# Altium PCB Weather_Station_ETH_HERMETIC.PcbDoc (part 5 of 5)
Units mil, origin at the board's own origin, x right, y up, seen from the top; angles counter-clockwise.
Board outline 6385.86 x 4338.61 mil, 2 copper layers (TopLayer, BottomLayer), stack 61.855 mil thick; 510 components, 370 nets, 1634 pads, 870 vias.
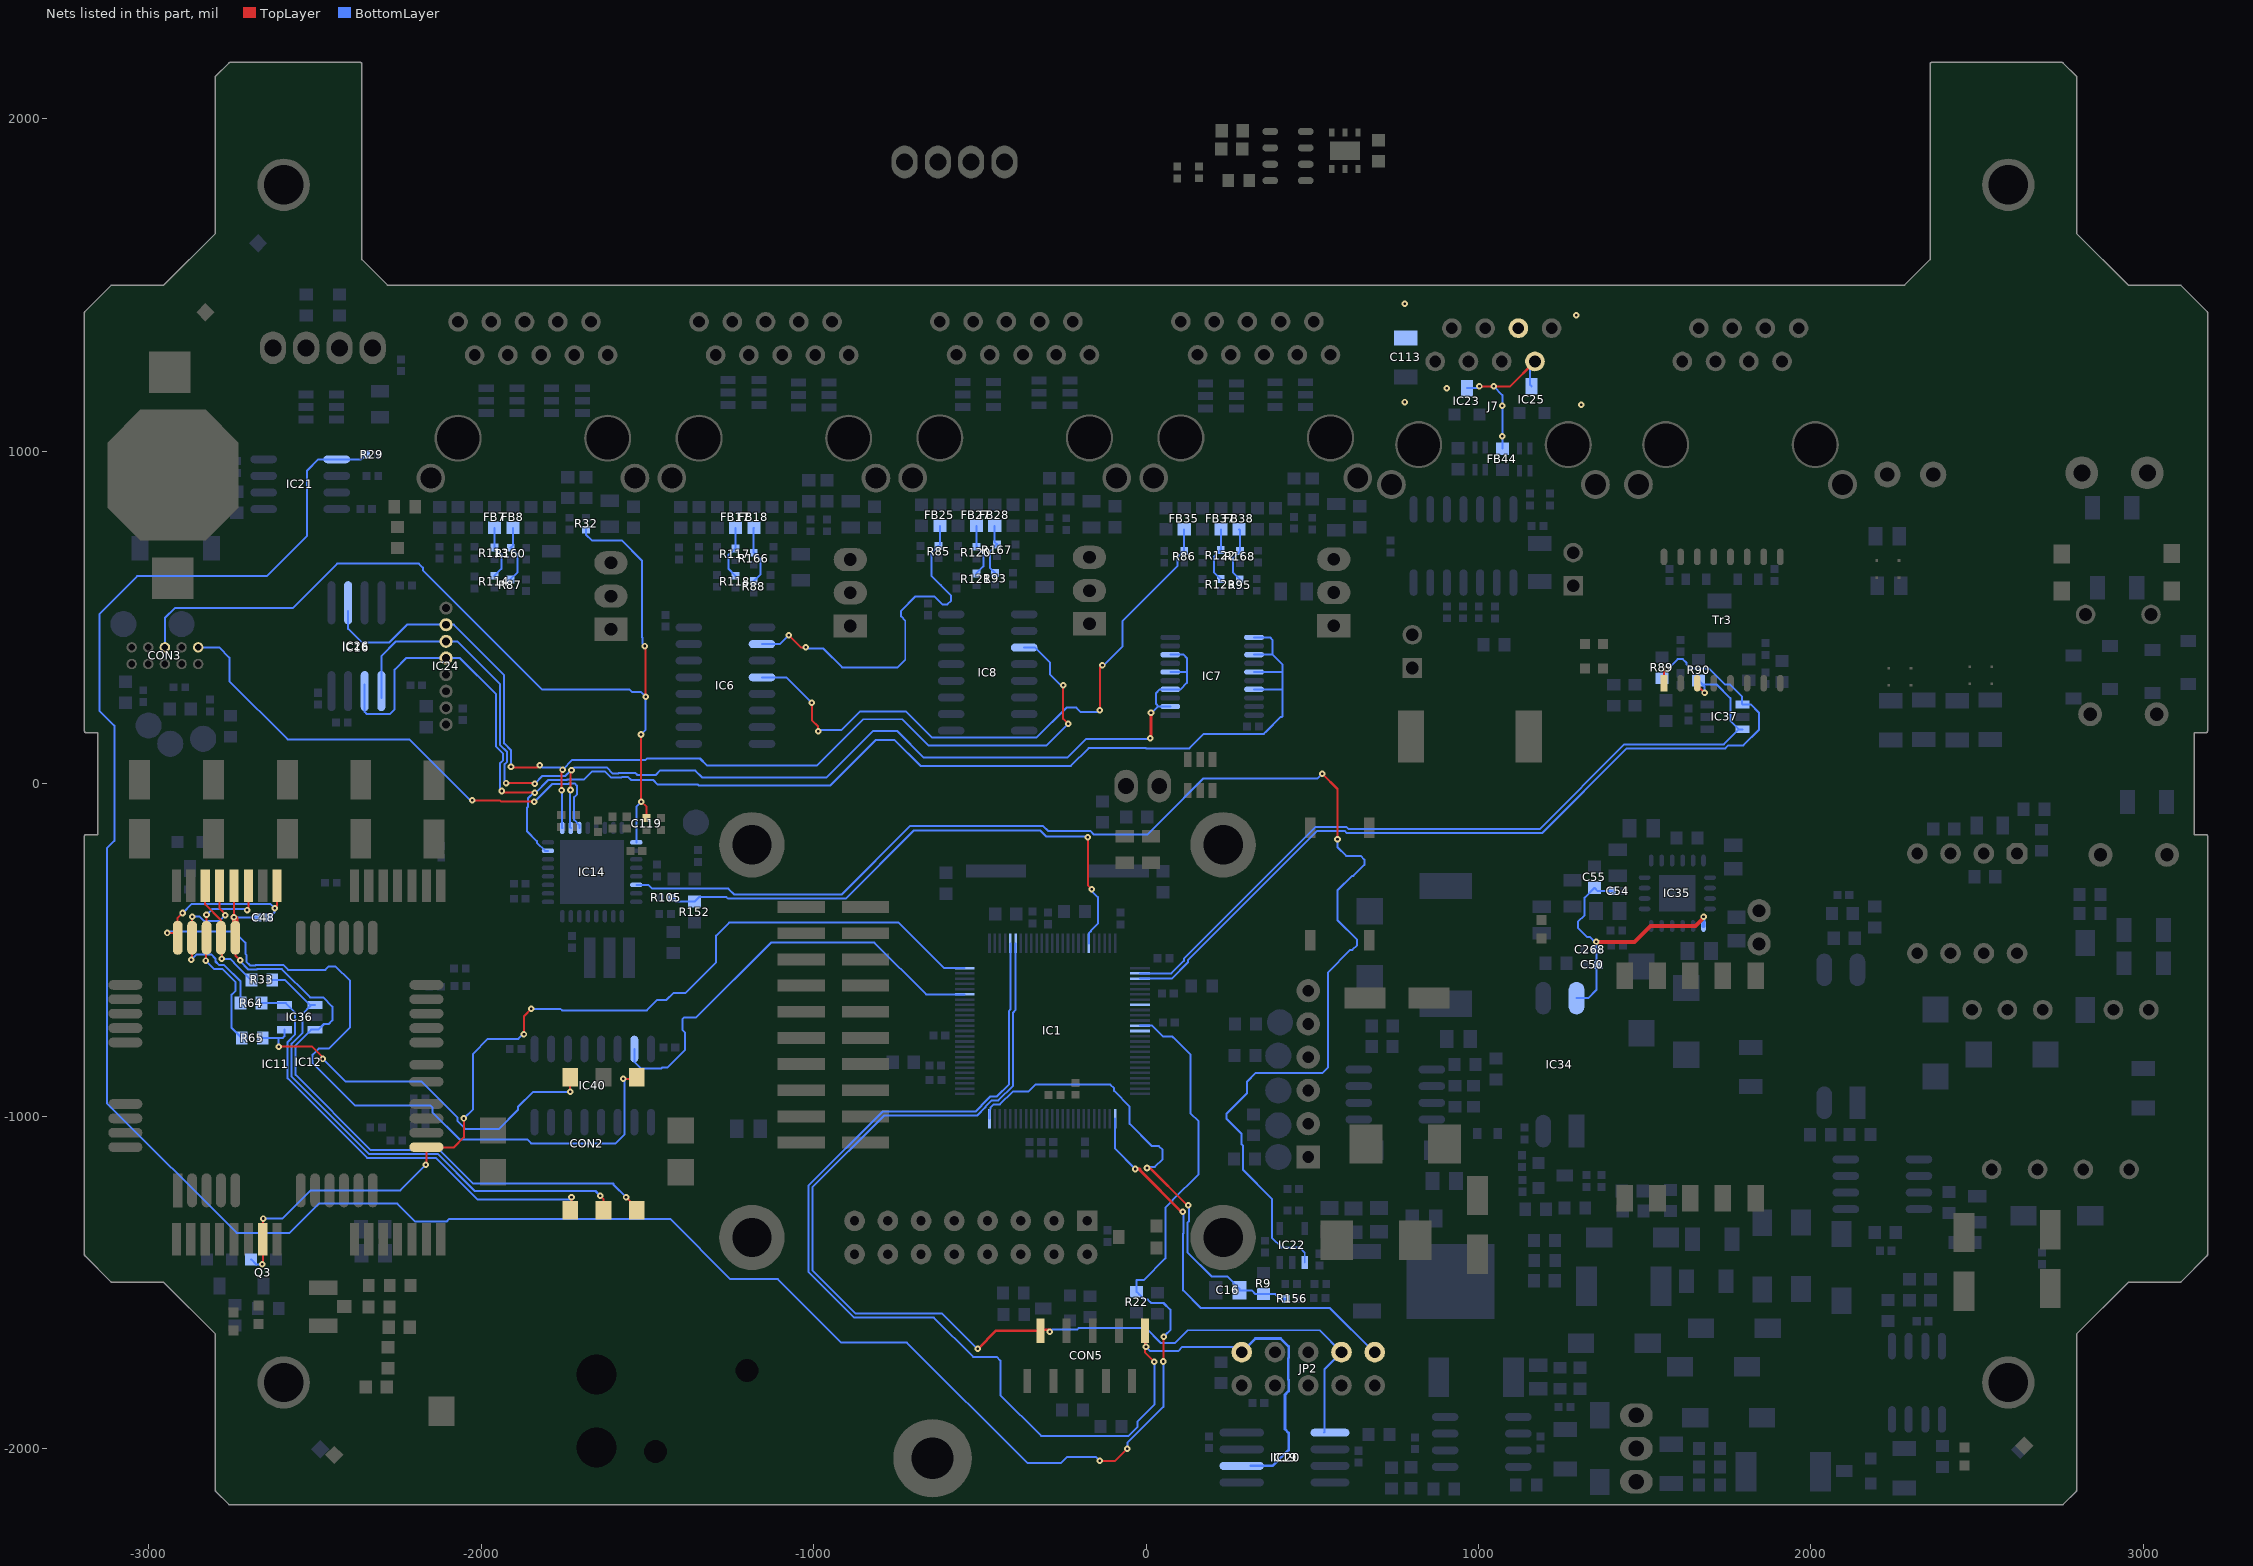
[diagram p5: the nets of this part, all layers, seen from the top]

## Via types
v1: diameter 19.68, hole 7.87, TopLayer to BottomLayer, tented both sides, 857 vias
v2: diameter 31.5, hole 15.75, TopLayer to BottomLayer, tented top, 9 vias
v3: diameter 25.98, hole 12.99, TopLayer to BottomLayer, tented top, 4 vias

## Nets (pads, with @x,y where several pads share a name; then routed paths per layer and width w, separated by ;. In a path a pad name is that pad's centre, name@x,y a point inside that pad or via, vN(x,y) a via of type N, cw(c..) or ccw(c..) an arc to the next point about the centre after c; other vN are vias at no path point) (continued)
SDA3: FB25.2 IC6.2 R85.2 | length 1080.7
  TopLayer w6: v1(-1075,447) -1038,410 v1(-1023,410)
  BottomLayer w6: IC6.2@-1155,420 -1102,420 v1(-1075,447) ; v1(-1023,410) -1019.33,406.33 -970,406.33 -913.83,350.16 -747.25,350.16 -724.16,373.25 -724.16,490.69 -736.84,503.37 -736.84,519.8 -693.36,563.29 -636.94,563.29 -612.8,539.16 -597.2,539.16 -586.16,550.2 -586.16,565.8 -617.32,596.97 -644.84,624.47 -644.84,694.79 -624.92,714.72 R85.2@-624,714.72 ; R85.2@-620,720 FB25.2@-620,775.87
SDA4: FB35.2 IC6.4 R86.2 | length 1884.8
  TopLayer w6: v1(-1005,244) -1005,191 -986,172 v1(-986,158) ; v1(-139,221) -139,348 v1(-131,356)
  BottomLayer w6: IC6.4@-1155,320 -1082,320 -1005,243 v1(-1005,244) ; v1(-986,158) -983.16,160.84 -917.1,160.84 -860.1,217.84 -722.63,217.84 -643.16,138.37 -329.56,138.37 -239.09,228.84 -209.49,228.84 -195.8,215.16 -144.84,215.16 v1(-139,221) ; v1(-131,356) -131,352 -71,412 -71,489 94.19,654.19 94.19,680.11 114.08,700 R86.2@115,700 FB35.2@115,765
SDI2_SDA2: IC1.87 IC21.5 R22.2 R29.2 | length 7840.3
  TopLayer w6: v1(-139,-2037) -138.16,-2037.84 -93.84,-2037.84 v1(-56,-2000) ; v1(52,-1738) 53,-1737 v1(53,-1664)
  BottomLayer w6: R29.2@-2346.41,990 -2360.63,975.78 IC21.5@-2434.14,975.78 -2489.22,975.78 -2523,942 -2523,746.03 -2645.03,624 -3034.35,624 -3148.37,509.98 -3148.37,219.85 -3103,174.48 -3103,-171.94 -3125.37,-194.31 -3125.37,-960.69 -2735.22,-1350.84 -2575.81,-1350.84 -2487.97,-1263 -2252.03,-1263 -2198.03,-1317 -2104.06,-1317 -2096.06,-1309 -1431,-1309 -1250,-1490 -1107.06,-1490 -916.06,-1681 -719.03,-1681 -357.03,-2043 -254.97,-2043 -236.97,-2025 -151,-2025 v1(-139,-2037) ; v1(-56,-2000) -56,-1982.6 52,-1874.6 v1(52,-1738) ; IC1.87@-18.13,-728.08 18.52,-728.08 50.44,-760 78.35,-760 82.2,-763.84 82.84,-763.84 133.16,-814.16 133.16,-990.78 158.02,-1015.63 158.02,-1174.36 79.16,-1253.22 79.16,-1254.58 58.06,-1275.68 58.06,-1427.59 -7.35,-1493 -28,-1493 R22.2@-28,-1528.5 -20.75,-1535.75 -4.5,-1552 5.37,-1552 15.37,-1562 52.63,-1562 72.63,-1582 73,-1582 73,-1643.35 60.16,-1656.2 60.16,-1662.84 57,-1666 55,-1664 v1(53,-1664)
SDO2: IC1.88
SGND: C113.2 FB44.2 IC23.3 IC25.3 J7.6 J7.7 | length 551
  TopLayer w6: v1(1003,1195) v1(1046,1195) 1095,1195 J7.7@1170,1270
  BottomLayer w6: IC23.3@965,1190 998,1190 v1(1003,1195) ; v1(1046,1195) 1072,1169 FB44.2@1072,1007.5 v1(1072,1045) ; J7.7@1155,1270 1155,1200 IC25.3@1160,1195
  other v1: 1072,1137 1309,1140 778,1148 905,1190 1294,1409 778,1444
SI: CON5.9 IC1.56 IC19.5 IC20.5 JP2.3 | length 3468.1
  TopLayer w8: v1(-506,-1700) -451.43,-1645.43 CON5.9@-317.63,-1645.43 -314.2,-1642 -289,-1642 v1(-289,-1648)
  BottomLayer w6: v1(-506,-1700) -509,-1703 -512,-1700 -512,-1695.2 -613.2,-1594 -873.13,-1594 -1003.84,-1463.28 -1003.84,-1214.34 -787.5,-998 -507.47,-998 -482.88,-973.41 -482.88,-972.19 -463.54,-952.84 -444.28,-952.84 -399.84,-908.4 -399.84,-688.2 -392.14,-680.49 IC1.56@-392.14,-480.04 ; v1(-289,-1648) -283,-1642 -207.27,-1642 -202.27,-1637 -0.65,-1637 45.2,-1682.84 86.8,-1682.84 125.65,-1644 522,-1644 JP2.3@588,-1710 537,-1761 537,-1950 IC20.5@535,-1952
SI1: FB8.2 R87.1 R160.2 | length 175.6
  BottomLayer w6: R87.1@-1912,614.72 -1890.19,636.53 -1890.19,689.82 -1910.08,709.72 R160.2@-1911,709.72 -1904.36,716.35 FB8.2@-1904.36,769.33
SI2: FB18.2 R88.1 R166.2 | length 177.7
  BottomLayer w6: R88.1@-1180,609.72 -1159.19,630.53 -1159.19,654 -1159.19,674.82 -1179.08,694.72 R166.2@-1180,694.72 -1180,768.69 FB18.2@-1179.36,769.33
SI3: FB28.2 R93.1 R167.2 | length 160.3
  BottomLayer w6: FB28.2@-455,775.87 -455,726.72 R167.2@-448,719.72 -448.92,719.72 -468.81,699.82 -468.81,648.53 R93.1@-454,633.72
SI4: FB38.2 R95.1 R168.2 | length 168.9
  BottomLayer w6: FB38.2@280,765 283,762 R168.2@283,699.72 282.08,699.72 262.19,679.82 262.19,634.53 R95.1@282,614.72
SIM_CLK: IC11.30 IC12.12 R64.1 | length 605.6
  TopLayer w6: v1(-2872,-530) -2869.21,-527.21 IC11.30@-2869.21,-463.39 -2869,-463.17 v1(-2869,-400) ; IC12.12@-2786.61,-307.01 -2786.61,-375.39 -2766,-396 v1(-2770,-396)
  BottomLayer w6: v1(-2872,-530) -2855.16,-513.16 -2811.84,-513.16 -2798.84,-526.16 -2798.84,-534.8 -2787.8,-545.84 -2772.57,-545.84 -2723.5,-594.92 R64.1@-2723.5,-660 ; v1(-2869,-400) -2846.65,-400 -2833.8,-412.84 -2785.84,-412.84 -2769,-396 v1(-2770,-396)
SIM_DATA: IC11.29 IC12.10 R65.1 | length 645.9
  TopLayer w6: v1(-2828,-532) -2828,-465.48 IC11.29@-2825.91,-463.39 -2825.91,-394.09 v1(-2826,-394) ; v1(-2704,-380) -2700,-376 IC12.10@-2700,-307.01
  BottomLayer w6: v1(-2828,-532) -2802.16,-557.84 -2777.54,-557.84 -2738.16,-597.22 -2738.16,-622.78 -2750.21,-634.83 -2750.21,-734.78 R65.1@-2719.99,-765 ; v1(-2826,-394) -2809.16,-377.16 -2706.84,-377.16 v1(-2704,-380)
SIM_GND: C48.2 CON2.C4 IC11.31 IC12.8 | length 2754.8
  TopLayer w6: v1(-2944,-449) -2926.91,-449 IC11.31@-2912.52,-463.39 -2912.52,-403.52 v1(-2898,-389) ; v1(-2621,-375) -2613.39,-367.39 IC12.8@-2613.39,-307.01 ; v1(-1572,-888) -1537,-888 CON2.C4@-1532,-883
  BottomLayer w6: v1(-2944,-449) -2940,-445 -2742,-445 -2709,-478 -2709,-512 -2706.16,-514.84 -2706.16,-535.49 -2694.8,-546.84 -2679.2,-546.84 -2677.35,-545 -2595,-545 -2580.16,-559.84 -2468.46,-559.84 -2457.8,-549.19 -2438.17,-549.19 -2394.16,-593.2 -2394.16,-732.77 -2458.2,-796.81 -2488.43,-796.81 -2506.84,-815.22 -2506.84,-840.78 -2379.81,-967.81 -2195,-967.81 -2194.62,-968.19 -2151.74,-968.19 -2146.47,-973.46 -2146.47,-988.53 -2065,-1070 -1861.67,-1070 -1849.67,-1082 -1595.3,-1082 -1568,-1054.7 -1568,-892 v1(-1572,-888) ; v1(-2898,-389) -2870.16,-361.16 -2634.84,-361.16 v1(-2621,-375) -2621,-386 C48.2@-2638,-403
SIM_RST: IC11.28 IC12.13 R33.2 | length 356.7
  TopLayer w6: IC12.13@-2829.92,-307.01 -2829.92,-362.73 -2782.6,-410.05 IC11.28@-2782.6,-463.39 -2780,-465.98 v1(-2780,-527)
  BottomLayer w6: v1(-2780,-527) -2754,-527 -2743.84,-537.16 -2743.84,-538.8 -2692.65,-590 R33.2@-2691,-590
SIM_VCC: C48.1 CON2.C1 IC11.27 IC12.11 IC36.6 | length 2113.1
  TopLayer w6: v1(-2743.31,-402) IC12.11@-2743.31,-307.01 ; IC11.27@-2739.29,-463.39 -2739.29,-516.71 v1(-2725,-531) ; v1(-1564,-1244) -1532,-1276 CON2.C1@-1532,-1283
  TopLayer w20: v1(-2743.31,-402) -2739.29,-406.02 IC11.27@-2739.29,-463.39
  BottomLayer w6: v1(-2743.31,-402) -2742.31,-403 C48.1@-2673.43,-403 ; v1(-2725,-531) -2725,-533.62 -2699.78,-558.84 -2674.22,-558.84 -2673.38,-558 -2598.97,-558 -2513.97,-643 -2474.5,-643 -2447.16,-670.34 -2447.16,-711.8 -2458.2,-722.84 -2472.55,-722.84 -2489.71,-740 IC36.6@-2499.48,-740 -2510.88,-740 -2557.84,-786.96 -2557.84,-876.1 -2332.78,-1101.16 -2125.9,-1101.16 -2025.06,-1202 -1601.72,-1202 -1601.72,-1206.28 v1(-1564,-1244)
SIMCLK: CON2.C3 IC36.3 R64.2 | length 1369.7
  TopLayer w6: CON2.C3@-1732,-1283 -1728,-1279 v1(-1728,-1244)
  BottomLayer w6: R64.2@-2660.5,-660 -2587.42,-660 -2559.84,-687.58 -2559.84,-755.02 -2581.84,-777.02 -2581.84,-886.04 -2342.72,-1125.16 -2135.84,-1125.16 -2011,-1250 -1730,-1250 -1730,-1246 v1(-1728,-1244)
SIMDATA: CON2.C6 IC36.1 R65.2 | length 1207.3
  TopLayer w6: v1(-2609,-791) -2508,-791 -2476,-823 v1(-2476,-828) ; v1(-1732,-927) CON2.C6@-1732,-883
  BottomLayer w6: R65.2@-2657,-765 -2609,-765 ; v1(-2609,-791) -2609,-765 ; IC36.1@-2592,-740 -2592,-760 -2597,-765 -2609,-765 ; v1(-2476,-828) -2479,-825 -2479,-824 -2407,-896 -2179,-896 -2070.84,-1004.16 -2070.84,-1014.8 -2046.65,-1039 -1947,-1039 -1889,-981 -1889,-972.38 -1843.62,-927 v1(-1732,-927)
SIMRST: CON2.C2 IC36.4 R33.1 | length 1524.6
  TopLayer w6: v1(-1641,-1240) -1632,-1249 CON2.C2@-1632,-1283
  BottomLayer w6: R33.1@-2628.01,-590 -2590,-590 -2514.8,-665.2 IC36.4@-2510.06,-665.2 ; IC36.4@-2499.48,-665.2 IC36.4@-2510.06,-665.2 ; v1(-1641,-1240) -1655.84,-1225.16 -2018.87,-1225.16 -2130.87,-1113.16 -2337.75,-1113.16 -2569.84,-881.07 -2569.84,-781.99 -2537.87,-750.01 -2537.87,-693 IC36.4@-2510.06,-665.2
SO: CON5.1 IC1.55 IC19.2 IC20.2 JP2.9 | length 3931.9
  TopLayer w6: v1@-2.67,-1691.33 -2.67,-1711.33 v1(25,-1739)
  TopLayer w8: v1@-2.67,-1691.33 CON5.1@-2.67,-1645.43
  BottomLayer w6: IC1.55@-407.89,-480.04 -407.89,-679.27 -411.84,-683.22 -411.84,-903.43 -449.25,-940.84 -468.51,-940.84 -494.88,-967.22 -494.88,-968.44 -512.44,-986 -792.47,-986 -1015.84,-1209.37 -1015.84,-1468.25 -878.1,-1606 -638,-1606 -519.84,-1724.16 -449.2,-1724.16 -437.84,-1735.51 -437.84,-1839.13 -315.29,-1961.69 -110.74,-1961.69 -95.13,-1961.69 -52.06,-1961.69 -26,-1935.63 -26,-1919 25,-1868 v1(25,-1739) ; v1(0,-1694) 12.84,-1706.84 96.75,-1706.84 109.59,-1694 272,-1694 JP2.9@288,-1710
  BottomLayer w8: JP2.9@288,-1710 329,-1669 404.98,-1669 429,-1693.02 429,-1726.98 428,-1727.98 428,-1760 428,-1792.02 429,-1793.02 429,-1826.98 418,-1837.98 418,-1941.38 429,-1952.38 429,-2004 381,-2052 IC20.2@315,-2052
SO1: FB7.2 R113.2 R114.1 | length 161.9
  BottomLayer w6: R114.1@-1960,625.43 -1939.19,646.24 -1939.19,690.54 -1959.08,710.43 R113.2@-1960,710.43 -1959.36,711.07 FB7.2@-1959.36,769.33
SO2: FB17.2 R117.2 R118.1 | length 161.9
  BottomLayer w6: R118.1@-1235,625.43 -1255.81,646.24 -1255.81,687.82 -1250.54,693.09 -1249.62,693.09 R117.2@-1235,707.72 -1234.36,708.35 FB17.2@-1234.36,769.33
SO3: FB27.2 R120.2 R121.1 | length 160.9
  BottomLayer w6: R121.1@-510,632.72 -489.19,653.53 -489.19,692.82 -509.08,712.72 R120.2@-510,712.72 FB27.2@-510,775.87
SO4: FB37.2 R122.2 R123.1 | length 167.3
  BottomLayer w6: R123.1@225,615.43 204.19,636.24 204.19,682.82 224.08,702.72 R122.2@225,702.72 FB37.2@225,765
SPI_MISO: IC8.3 IC14.17 IC16.2 IC24.7 IC26.2 | length 3214.9
  TopLayer w6: v1(-1910,51) -1908,49 -1831,49 ; v1(-1758,-20) -1758,34 v1@-1755,37 ; v1(-249,296) -249,195 v1(-234,180)
  BottomLayer w6: IC16.2@-2400,519 -2400,466 -2358,424 -2276.97,424 -2222.87,478.1 IC24.7@-2105.32,478.1 -2082.1,478.1 -1930.84,326.84 -1930.84,121.22 -1909.97,100.35 v1(-1910,51) ; v1(-1824,56) -1817,49 -1762,49 v1(-1755,42) -1725.64,71.36 -1505.26,71.36 -1500.78,75.84 -1341.49,75.84 -1320.65,55 -989,55 -850.16,193.84 -732.57,193.84 -653.1,114.37 -299.63,114.37 v1(-234,180) ; v1(-1758,-20) -1756,-22 -1756,-132.69 IC14.17@-1755.57,-133.13 ; IC8.3@-366.26,409.37 -333.72,409.37 -289.16,364.8 -289.16,329 -249,288.84 v1(-249,296)
SPI_MOSI: IC7.2 IC7.4 IC7.6 IC7.8 IC14.18 IC16.5 IC24.6 IC26.5 | length 3591
  TopLayer w6: v1(-1925,2) v1@-1841,2 ; v1(-1731,-19) -1731,38 v1(-1728,41) ; v1@-1728,-17 v1@-1727,-18
  TopLayer w8: v1@15,139 v1(15,213)
  BottomLayer w6: IC26.5@-2300,258.15 IC16.5@-2300,299 -2300,384 -2255.9,428.1 IC24.6@-2105.32,428.1 -2072.1,428.1 -1942.84,298.84 -1942.84,116.25 -1921.97,95.38 -1921.97,65.68 -1928.84,58.8 v1@-1928.84,5.84 ; v1(-1839,0) -1815.84,23.16 -1747.2,23.16 v1@-1729.35,41 ; v1(-1731,-19) v1@-1729.98,-20.02 ; IC14.18@-1729.98,-133.13 -1731.82,-131.28 -1731.82,-21.87 v1@-1729.98,-20.02 ; v1@-1727,-18 -1728,-17 -1729.98,-18.98 v1@-1729.98,-20.02 ; -1720.16,48.84 -1622.65,48.84 -1603.8,30 -1588.2,30 -1585.35,32.84 -1536.25,32.84 -1529.57,26.16 -1474.87,26.16 -1462.03,39 -1355.56,39 -1335.56,19 -960.36,19 -821.52,157.84 -747.48,157.84 -668.01,78.37 -236.31,78.37 -179.68,135 v1@13,135 ; v1@15.5,212.5 35,232 ; IC7.2@73,232 39,232 30,241 30,272 42,284 IC7.4@73,284 104,284 123,303 123,335 ; IC7.6@73,336 122,336 123,335 ; IC7.8@73,388 113,388 123,378 123,335
  other v1: 13,137
SPI_SCK: IC7.11 IC7.13 IC7.15 IC7.17 IC14.15 IC16.6 IC24.5 IC26.6 | length 4272.3
  TopLayer w6: v1(-1938,-22) -1942,-26 -1910.84,-26 -1909.84,-27 v1(-1839,-27)
  BottomLayer w6: IC16.6@-2350,299 IC26.6@-2350,258.15 -2350,216 -2343.15,209.15 -2275,209.15 -2260,224.15 -2260,343 -2224.9,378.1 IC24.5@-2105.32,378.1 -2064.1,378.1 -1954.84,268.84 -1954.84,111.28 -1933.97,90.41 -1933.97,70.65 -1943.84,60.78 -1943.84,-16.16 v1(-1938,-22) ; v1(-1839,-27) -1841.65,-27 -1859.16,-44.51 -1859.16,-69.51 -1861.84,-72.2 -1861.84,-143.16 -1832.16,-172.84 -1832.16,-177.43 -1807.57,-202.02 IC14.15@-1798.87,-202.02 ; v1@-1837.58,-28.42 -1798,11.16 -1742.22,11.16 -1740.54,12.84 -1689.78,12.84 -1665.78,36.84 -1627.62,36.84 -1608.78,18 -1578.65,18 -1575.8,20.84 -1558.2,20.84 -1548.51,11.16 -1482.02,11.16 -1468.02,-2.84 -1347.66,-2.84 -1345.5,-5 -949,-5 -812.16,131.84 -756.84,131.84 -678.37,53.37 -225.96,53.37 -172.33,107 -0.62,107 0.22,106.16 130.22,106.16 173.86,149.8 354.65,149.8 360.92,156.07 360.92,156.73 404.19,200 407.79,200 410,202.21 410,285 ; IC7.17@325,284 409,284 410,285 ; IC7.15@325,336 409,336 410,337 ; IC7.13@325,388 381,388 ; IC7.11@325,440 373,440 381,432 381,388 ; 381,388 410,359 410,337 ; 410,285 410,337
SS2: IC1.83
STATUS: IC1.50 IC11.12 IC12.22 Q3.1 | length 2965.1
  TopLayer w6: v1(-2658,-1446) -2656.69,-1444.69 IC12.22@-2656.69,-1370 -2656.69,-1308 v1(-2655,-1308) ; v1(-2166,-1146) -2164.49,-1144.49 IC11.12@-2164.49,-1093.31 -2162.8,-1095 -2083,-1095 -2052,-1064 v1(-2052,-1007) ; v1(-1871,-754) -1871,-699 v1(-1849,-677)
  BottomLayer w6: Q3.1@-2692,-1431 -2677,-1446 v1(-2658,-1446) ; v1(-2655,-1308) -2598.03,-1308 -2513.03,-1223 -2243,-1223 v1(-2166,-1146) ; v1(-2052,-1007) -2024,-979 -2024,-812.5 -1979.34,-767.84 -1887.84,-767.84 -1871,-751 v1(-1871,-754) ; v1(-1849,-677) -1848.84,-677.16 -1761.31,-677.16 -1756.47,-682 -1501.53,-682 -1469.69,-650.16 -1442.25,-650.16 -1421.93,-629.84 -1385.93,-629.84 -1292.84,-536.75 -1292.84,-512.91 -1293,-512.75 -1293,-457.25 -1253.75,-418 -1198.25,-418 -1198.09,-418.16 -1179.72,-418.16 -1179.4,-417.84 -744.16,-417.84 -607.15,-554.85 IC1.50@-545.69,-554.85
SUPPLY_OFF_DETECTION: IC14.30 IC22.1 | length 4274
  TopLayer w6: v1(530,30) 576,-16 v1(576,-167)
  BottomLayer w6: IC14.30@-1533.13,-304.39 -1496.94,-304.39 -1485.64,-315.69 -1255.96,-315.69 -1237.8,-333.84 -915.84,-333.84 -709,-127 -310,-127 -294.84,-142.16 -167.2,-142.16 -156.35,-153 4,-153 55,-102 ; 51.5,-105.5 55,-102 ; IC22.1@477.5,-1440 477.5,-1410.5 462,-1395 408,-1395 378.81,-1365.81 378.81,-1248.81 292,-1162 292,-1088.84 288,-1084.84 288,-1053.65 242.16,-1007.8 242.16,-992.2 303.84,-930.51 303.84,-896.16 330,-870 531,-870 547,-854 547,-568.01 614.99,-500.02 620.62,-500.02 634.84,-485.8 634.84,-469.84 576,-411 576,-320.87 619.87,-277 623.87,-277 657,-243.87 657,-228.13 645.87,-217 601.87,-217 576,-191.13 v1(576,-167) ; v1(530,30) 516,16 173,16 55,-102
SWCLK: CON3.1 IC14.19 | length 1534.7
  TopLayer w6: v1(-2027,-50) -1944,-50 -1940,-54 v1(-1840,-54)
  BottomLayer w6: CON3.1@-2851,410 -2788,410 -2757,379 -2757,308.54 -2581.94,133.47 -2216.47,133.47 -2033,-50 v1(-2027,-50) ; v1(-1840,-54) -1839.35,-54 -1786.2,-0.84 -1737.25,-0.84 -1735.57,0.84 -1718.69,0.84 -1712.16,-5.69 -1712.16,-32.83 -1719.82,-40.49 -1719.82,-109 -1704.39,-124.43 IC14.19@-1704.39,-133.13
SWDIO: C119.2 CON3.5 IC14.25 R32.2 | length 2893.4
  TopLayer w6: v1(-1519,148) -1519,-14 -1519,-53 v1(-1518,-54) -1502,-70 C119.2@-1502,-103.28 ; v1(-1505,261) v1@-1505,411
  BottomLayer w6: CON3.5@-2951,410 -2951,498.41 -2921.04,528.37 -2566.63,528.37 -2433,662 -2187.35,662 -2175,649.65 -2175,642 -1816,283 -1570.65,283 ; R32.2@-1684.36,763.9 -1684.36,749.36 -1667,732 -1577,732 -1516,671 -1516,440 ; -1569.8,283.84 -1554.2,283.84 -1546.51,276.16 -1520.16,276.16 v1(-1505,261) -1505,162 v1(-1519,148) ; IC14.25@-1533.13,-176.43 -1533.13,-69.13 v1(-1518,-54) ; v1@-1515,420 -1515,439
  other v1: -1508,414
TD+: IC1.78 IC37.1 R89.2 Tr3.1 | length 2681.9
  TopLayer w6: Tr3.1@1558,302.31 1558,337 v1(1566,345)
  BottomLayer w6: IC1.78@-18.13,-586.34 77.28,-586.34 125.84,-537.78 125.84,-531.16 515,-142 597.38,-142 604.22,-148.84 1191.16,-148.84 1446,106 1742.97,106 1752,115.03 1797.03,115.03 1843.84,161.84 1843.84,213.16 1818.6,238.4 IC37.1@1794.15,238.4 1792.16,240.39 1792.16,262.84 1757,298 1742,298 1693.72,346.28 1638.59,346.28 1625.84,359.03 1625.84,363.8 1614.8,374.84 1599.2,374.84 1558,333.65 R89.2@1558,316.33
TD-: IC1.77 IC37.3 R90.2 Tr3.3 | length 2435.2
  TopLayer w6: Tr3.3@1658,302.31 1658,296 v1(1680,274)
  BottomLayer w6: IC1.77@-18.13,-570.59 76.05,-570.59 113.84,-532.8 113.84,-526.19 510.03,-130 602.35,-130 609.2,-136.84 1184.16,-136.84 1439,118 1738,118 IC37.3@1783.6,163.6 ; R90.2@1657.99,315.81 1674.8,299 1716,299 1757.6,257.4 1757.6,189.6 IC37.3@1783.6,163.6 ; R90.2@1662,310.01 1680,292.01 v1(1680,274) ; IC37.3@1794.15,163.6 IC37.3@1783.6,163.6
TXD1: IC1.45 IC40.15 | length 1327.3
  BottomLayer w6: IC40.15@-1539,-798 -1539,-837 -1520,-856 -1458,-856 -1456,-854 -1439.86,-854 -1386,-800.14 -1386,-748.84 -1394.84,-740 -1394.84,-708.87 -1389.81,-703.84 -1353.97,-703.84 -1127.97,-477.84 -817.16,-477.84 -661.41,-633.59 IC1.45@-545.69,-633.59
TXD2: IC1.70 R105.1 R152.2 | length 1694.9
  TopLayer w6: v1@-175,-164 v1(-175,-161) -175,-306 v1(-163,-318)
  BottomLayer w6: R105.1@-1425.57,-343 -1414.06,-354.5 R152.2@-1358,-354.5 -1344.5,-341 -1262.06,-341 -1257.22,-345.84 -903,-345.84 -698,-140.84 -318.16,-140.84 -300.84,-158.16 -177.84,-158.16 v1(-175,-161) ; IC1.70@-171.67,-480.04 -171.67,-449.6 -165.11,-443.04 ; -165.11,-441.08 -144.79,-420.76 -144.79,-341.21 v1@-163,-323
VOLT_MEAS: C16.1 IC1.25 R9.2 R156.1 | length 1456.5
  TopLayer w6: v1(3,-1156) 12,-1156 124.24,-1268.24 v1(127.56,-1268.24)
  BottomLayer w6: IC1.25@-470.88,-1007.6 -470.88,-981.88 -468.07,-979.07 -468.07,-974.35 -458.57,-964.84 -439.31,-964.84 -400.63,-926.16 -354.13,-926.16 -333.13,-905.16 -107.2,-905.16 -96.16,-916.2 -96.16,-924 -49,-971.16 -49,-1023.44 18.04,-1090.47 38.98,-1090.47 50.02,-1101.51 50.02,-1129.63 26.8,-1152.84 6.16,-1152.84 v1(3,-1156) ; v1(127.56,-1268.24) 128.84,-1269.52 128.84,-1316.34 124.57,-1320.61 124.57,-1409.6 196.98,-1482 244,-1482 281,-1519 C16.1@281,-1524 318,-1524 329,-1535 R9.2@354,-1535 389,-1535 404,-1550 R156.1@421.57,-1550
VSSA: C50.2 C54.2 C55.2 C268.2 IC34.4 IC35.15 | length 869.2
  TopLayer w12: v1(1354,-476) 1469.79,-476 1517.79,-428 1653,-428 1681,-400 v1(1677,-400)
  BottomLayer w6: IC34.4@1295,-645 1330,-645 1354.43,-620.57 C268.2@1354.43,-499 v1@1354.43,-480.43 ; v1@1352,-478 1335,-461 1326.35,-461 1299.16,-433.8 1299.16,-415.84 1319.56,-395.44 1319.56,-342.44 C55.2@1349,-313 1359,-323 C54.2@1401.28,-323
  BottomLayer w12: IC35.15@1676.99,-428 v1@1676.99,-400.01
WIFI_CSN: IC1.1 JP2.1 | length 1265.4
  TopLayer w8: v1(-32,-1159) -18,-1159 -16.84,-1160.16 -16.84,-1164.22 106.94,-1288 v1(110,-1288)
  BottomLayer w6: IC1.1@-92.93,-1007.6 -92.93,-1098.07 v1(-32,-1159) ; v1(110,-1288) 111,-1288 112.56,-1289.56 112.56,-1352.72 112,-1353.28 112,-1524 165,-1577 553.03,-1577 686.03,-1710 JP2.1@688,-1710
pads on no net: ANT1.MH1 ANT1.MH2 ANT1.MH3 ANT1.MH4 CON1.6 CON2.C5 CON3.7 CON8.12 CON8.14 CON8.16 CON8.20 DISP1.0a DISP1.0b DISP1.0c DISP1.0d DISP1.7 DISP1.8 DISP1.9 DISP1.10 FTG1.1 FTG2.1 FTG3.1 FTG4.1 FTG5.1 FTG6.1 IC1.2 IC1.3 IC1.4 IC1.9 IC1.14 IC1.38 IC1.51 IC1.58 IC1.66 IC1.68 IC1.97 IC1.98 IC1.99 IC1.100 IC2.3 IC2.4 IC2.7 IC4.6 IC11. IC11.1 IC11.2 IC11.3 IC11.4 IC11.5 IC11.6 IC11.7 IC11.8 IC11.9 IC11.11 IC11.14 IC11.15 IC11.16 IC11.17 IC11.18 IC11.19 IC12.6 IC12.7 IC12.9 IC12.15 IC12.16 IC12.18 IC12.19 IC14.1 IC14.28 IC15.1 IC15.8 IC15.13 IC27.7 IC30.4 IC30.5 IC39.1 IC39.6 IC40.12 IC40.13 IC41.1 IC41.6 J6.9 J7.9 JP2.6 S1.2@671.17,-132.54 Tr1.3 Tr1.4 Tr1.5 Tr1.6 Tr2.5 Tr2.7 Tr2.8 Tr3.4 Tr3.5 Tr3.12 Tr3.13 X2.2 X2.3

## Polygon pours and split planes (outlines as drawn)
EARTH on TopLayer "Top Layer-EARTH" (hatched 90Degree grid 8 track 8, remove dead copper, pour order 1001): 1844,-382 1844,-178 1791,-125 1766,-100 1690,-100 1487,-100 1419,-168 1275,-312 1275,-385 1275,-427 1316,-468 1320,-472 1749,-472 1754,-472 1844,-382
HGND on TopLayer "Top Layer-HGND" (hatched 90Degree grid 8 track 8, remove dead copper, pour order 1000): 2005,-592 2005,-511 2005,-365 2089.81,-280.19 2289,-81 2511,-81 2571,-81 2612,-40 2633,-19 2718,-19 2750,-19 2773,-42 2780,-49 2780,-127 2780,-208 2729,-259 2705,-283 2705,-309 2335,-309 2278,-366 2214,-430 2214,-482 2214,-576 2182,-608 2167,-623 2065,-623 2036,-623 2005,-592
GND on TopLayer "gnd-top" (solid, remove dead copper, pour order 7): -3236,2192 1400,2192 1337,2129 1337,632 1337,536 1428,445 1430,447 1690,447 1926,447 1963,410 2000,373 2000,343 2000,262 1977,239 1732,-6 1473,-6 1063,-6 853,-216 843,-226 843,-367 843,-425 1016,-598 1039,-621 1039,-802 1039,-825 1122,-908 1186.76,-972.76 1288,-972.76 1302.76,-972.76 1353,-1023 1384,-1054 1384,-1108 1384,-1121 1420,-1157 1582,-1157 1849,-1157 1902,-1104 1903,-1105 2265,-1105 3193,-1105 3194,-1106 3294,-1206 3294,-2267 3204,-2357 -3255,-2357
GND_SENS1 on TopLayer "gnd-top" (solid, pour order 11): -2185.04,1476.38 -2185.04,1082.68 -2185.04,879.13 -2152.36,846.46 -1684.36,846.46 -1515.75,846.46 -1496.06,866.14 -1496.06,984.25 -1496.06,1496.06 -2185.04,1496.06 -2185.04,1476.38
GND_SENS2 on TopLayer "gnd-top" (solid, pour order 10): -1476.38,1476.38 -1476.38,1082.68 -1476.38,879.13 -1443.7,846.46 -975.7,846.46 -807.09,846.46 -787.4,866.14 -787.4,984.25 -787.4,1496.06 -1476.38,1496.06 -1476.38,1476.38
GND_SENS3 on TopLayer "gnd-top" (solid, pour order 9): -748.03,1476.38 -748.03,1082.68 -748.03,879.13 -715.36,846.46 -247.36,846.46 -78.74,846.46 -59.06,866.14 -59.06,984.25 -59.06,1496.06 -748.03,1496.06 -748.03,1476.38
GND_SENS4 on TopLayer "gnd-top" (solid, pour order 8): -19.68,1476.38 -19.68,1082.68 -19.68,879.13 12.99,846.46 480.99,846.46 649.61,846.46 669.29,866.14 669.29,984.25 669.29,1496.06 -19.68,1496.06 -19.68,1476.38
SGND on TopLayer "gnd-top" (solid, pour order 12): 725,1490 725,1010 1350,1010 1355,1010 1355,1495
GNDS on BottomLayer "gnd-top" (solid, pour order 8): -826.77,2007.87 748.03,2007.87 748.03,1771.65 746.38,1770 -826,1770 -826,2007.1 -826.77,2007.87
GND on BottomLayer "gnd-bot" (solid, remove dead copper, pour order 7): -3236.58,2195.82 1399.42,2195.82 1336.42,2132.82 1336.42,635.82 1336.42,539.82 1427.42,448.82 1429.42,450.82 1689.42,450.82 1925.42,450.82 1962.42,413.82 1999.42,376.82 1999.42,346.82 1999.42,265.82 1976.42,242.82 1731.42,-2.18 1472.42,-2.18 1062.42,-2.18 852.42,-212.18 842.42,-222.18 842.42,-363.18 842.42,-421.18 1015.42,-594.18 1038.42,-617.18 1038.42,-798.18 1038.42,-821.18 1121.42,-904.18 1186.17,-968.93 1287.42,-968.93 1302.17,-968.93 1352.42,-1019.18 1383.42,-1050.18 1383.42,-1104.18 1383.42,-1117.18 1419.42,-1153.18 1581.42,-1153.18 1848.42,-1153.18 1901.42,-1100.18 1902.42,-1101.18 2264.42,-1101.18 3192.42,-1101.18 3193.42,-1102.18 3293.42,-1202.18 3293.42,-2263.18 3203.42,-2353.18 -3255.58,-2353.18
GND_SENS1 on BottomLayer "gnd-top" (solid, remove dead copper, pour order 11): -2185.04,1476.38 -2185.04,1082.68 -2185.04,879.13 -2152.36,846.46 -1684.36,846.46 -1515.75,846.46 -1496.06,866.14 -1496.06,984.25 -1496.06,1496.06 -2185.04,1496.06 -2185.04,1476.38
GND_SENS2 on BottomLayer "gnd-top" (solid, remove dead copper, pour order 10): -1476.38,1476.38 -1476.38,1082.68 -1476.38,879.13 -1443.7,846.46 -975.7,846.46 -807.09,846.46 -787.4,866.14 -787.4,984.25 -787.4,1496.06 -1476.38,1496.06 -1476.38,1476.38
GND_SENS3 on BottomLayer "gnd-top" (solid, remove dead copper, pour order 9): -748.03,1476.38 -748.03,1082.68 -748.03,879.13 -715.36,846.46 -247.36,846.46 -78.74,846.46 -59.06,866.14 -59.06,984.25 -59.06,1496.06 -748.03,1496.06 -748.03,1476.38
GND_SENS4 on BottomLayer "gnd-top" (solid, remove dead copper, pour order 8): -19.68,1476.38 -19.68,1082.68 -19.68,879.13 12.99,846.46 480.99,846.46 649.61,846.46 669.29,866.14 669.29,984.25 669.29,1496.06 -19.68,1496.06 -19.68,1476.38
SGND on BottomLayer "gnd-top" (solid, pour order 12): 725,1490 725,1010 1350,1010 1355,1010 1355,1495

## Keep-outs
BottomLayer:
  lines w10: 1367.35,-6 1405.63,32.28 1770.28,32.28
KeepOutLayer:
  lines w7.87: -3188.98,-1338.58 -3188.98,-1377.95 -3188.98,-1417.32 ; -3188.98,1338.58 -3188.98,1377.95 -3188.98,1417.32 ; 3188.98,-1338.58 3188.98,-1377.95 3188.98,-1417.32 ; 3188.98,1338.58 3188.98,1377.95 3188.98,1417.32 ; -3188.98,-1417.32 -3188.98,-157.48 -3149.61,-157.48 -3149.61,157.48 -3188.98,157.48 -3188.98,1417.32 ; -3188.98,-1417.32 -3149.61,-1456.69 -3110.24,-1496.06 -2992.13,-1496.06 -2952.76,-1496.06 -2913.39,-1535.43 -2874.02,-1574.8 -2795.28,-1653.54 -2795.28,-2125.98 -2755.91,-2165.35 ; -3188.98,1417.32 -3149.61,1456.69 -3110.24,1496.06 -2992.13,1496.06 -2952.76,1496.06 -2913.39,1535.43 -2874.02,1574.8 -2795.28,1653.54 -2795.28,2125.98 -2755.91,2165.35 ; -2755.91,-2165.35 0,-2165.35 2755.91,-2165.35 ; -2755.91,-2165.35 -2755.91,-2165.35 ; -2755.91,2165.35 -2362.2,2165.35 -2362.2,1574.8 -2283.46,1496.06 2283.46,1496.06 2362.2,1574.8 2362.2,2165.35 2755.91,2165.35 ; -2755.91,2165.35 -2755.91,2165.35 ; 2755.91,-2165.35 2795.28,-2125.98 2795.28,-1653.54 2874.02,-1574.8 2913.39,-1535.43 2952.76,-1496.06 2992.13,-1496.06 3110.24,-1496.06 3149.61,-1456.69 3188.98,-1417.32 ; 2755.91,-2165.35 2755.91,-2165.35 ; 2755.91,2165.35 2795.28,2125.98 2795.28,1653.54 2874.02,1574.8 2913.39,1535.43 2952.76,1496.06 2992.13,1496.06 3110.24,1496.06 3149.61,1456.69 3188.98,1417.32 ; 2755.91,2165.35 2755.91,2165.35 ; 3188.98,-1417.32 3188.98,-157.48 3149.61,-157.48 3149.61,157.48 3188.98,157.48 3188.98,1417.32 ; -826.77,1771.65 -826.77,2007.87 748.03,2007.87 748.03,1771.65 -826.77,1771.65

## Other copper
TopLayer:
  rectangle net GSM_POW: -2432,-1379.84 -2406.69,-1324
  rectangle net GSM_POW: -2432,-1328 -2325,-1312
  rectangle net +12V_AC: 2535,-1360 2598,-1278
  rectangle net NetC12_1: 934,-1187 1010,-1123
  rectangle net P5V0: 568,-1465 667,-1426
  rectangle net NetC106_1: 1421,-1377 1456,-1280
  rectangle net +12V_AC: 2437,-1445 2513,-1401
  rectangle net NetD8_K: 699,-1131 759,-1060
  rectangle net P5V0: 624,23 653,93
  rectangle net P5V0: 220,-1181 240,-1132
  rectangle net P5V0: 225,-1080 250,-1049
  rectangle net P5V0: 198,-791 221,-754
  rectangle net P5V0: 214.24,-726.63 243,-682
  rectangle net P5V0: -1112,-1204 -1091,-1156
  rectangle net P5V0: -1145,-778 -1101,-725
  rectangle net P5V0: -344,-1754 -315,-1714
  rectangle net P5V0: -44,-1408 0,-1389
  rectangle net NetC88_2: 2133,-1942 2152,-1881
  rectangle net NetC88_2: 2142,-1812 2184,-1760
  rectangle net GSM_POW: 1012,-2115 1048,-1995
  rectangle net P5V0: 956,-2082 983,-2007
  rectangle net P3V3: 1002,-1858 1027,-1768
  rectangle net P3V3: 119,-2055 191,-2026
  rectangle net GND: 2256,520 2307,574
  rectangle net NetC23_1: 891,-258 970,-226
  region net NetC143_1: 2471,210 2471,257.48 2413.06,257.48 2413.06,210
  rectangle net NetC141_2: 2504,272 2549,330
  region net NetC13_2: 2375,209 2375,254 2302,254 2302,209
  rectangle net NetC14_1: 2241,269 2284,320
  pour cut-out: 688.98,1003.76 690.22,1005 1355,1005 1355,985 1351.86,988.14 688.98,988.14
  pour cut-out: -984.25,-2165.35 -984.25,-1496.06 -2204.72,-1496.06 -2204.72,-2165.35
  pour cut-out: -2204.72,1496.06 -2204.72,866.14 -2165.35,826.77 649.61,826.77 688.98,866.14 688.98,1496.06 669.29,1496.06 669.29,866.14 641.97,838.82 -2146,839 -2185.04,866.14 -2185.04,1496.06
BottomLayer:
  rectangle net GND: 1730,-1375 1745,-1360
  rectangle net GND: 1000,-865 1020,-850
  rectangle net GND: -195,-1135 -175,-1120
  rectangle net GND_SENS2: -1080,1160 -1055,1180
  rectangle net GND_SENS3: -440,1160 -425,1180
  rectangle net GND: -675,535 -656.26,550
  rectangle net GND: 1810,190 1825,210
  rectangle net GSM_POW: -2432,-1393 -2374,-1312
  rectangle net +12V_AC: 2535,-1360 2598,-1278
  rectangle net NetC12_1: 937,-1177 998,-1136
  rectangle net P5V0: 567,-1465 667,-1360
  rectangle net NetC106_1: 1395,-1377 1456,-1327
  rectangle net +12V_AC: 2437,-1445 2513,-1415
  rectangle net GSM_POW: -3068,-691.73 -3000.73,-103
  rectangle net GSM_POW: -3015,-305 -2960,-103
  rectangle net GSM_POW: -3066,-138 -2762,-79
  rectangle net GSM_POW: -2802,-194 -2164,-103
  rectangle net NetD8_K: 699,-1131 759,-1060
  rectangle net NetC23_1: 877,-288 977,-232
  rectangle net GND: -360,-1134 -279,-1123.86
  rectangle net GND: -1635,-465 -1615,-455
  rectangle net GND: -1935.28,-805 -1920,-790
  rectangle net GND: -1750,-990 -1730,-970
  rectangle net GND: -2354,-1034 -2340,-1025
  rectangle net GND: -1735,-515 -1720,-505
  rectangle net GND: -2860,218 -2841,235
  rectangle net GND: -2484,-713 -2466,-698
  rectangle net P3V3: -2028,656 -2012,667
  rectangle net P5V0: 624,23 653,93
  rectangle net P5V0: 220,-1181 240,-1132
  rectangle net P5V0: 225,-1080 250,-1049
  rectangle net P5V0: 198,-791 221,-764
  rectangle net P5V0: 224,-724 243,-682
  rectangle net P5V0: -1111,-1204 -1091,-1157
  rectangle net P5V0: -1145,-778 -1101,-725
  rectangle net P5V0: -344,-1743 -315,-1714
  rectangle net P5V0: -44,-1408 0,-1389
  rectangle net NetC88_2: 2145,-1799 2189,-1738
  rectangle net NetC88_2: 2133,-1942 2152,-1881
  rectangle net GSM_POW: 1012,-2118 1044,-1995
  rectangle net P5V0: 956,-2078 988,-2007
  rectangle net P3V3: 1002,-1849 1026,-1768
  rectangle net P3V3: 119,-2055 191,-2026
  rectangle net GND: 868,-546 930,-514
  rectangle net NetC14_1: 2241,269 2284,320
  region net NetC13_2: 2375.57,205 2375.57,250 2302.57,250 2302.57,205
  rectangle net NetC143_1: 2407.68,205.65 2475,242
  rectangle net NetC141_2: 2504,272 2549,330
  rectangle net GND: 2258,544 2284,572
  rectangle net GND: 633,-2006.57 639.79,-1979.5
  rectangle net GND_SENS4: 624,850 645,865
  rectangle net GND_SENS3: -117,847 -97,865
  rectangle net GND: -1740,-990 -1712.52,-968
  pour cut-out: 688.98,1003.76 690.22,1005 1355,1005 1355,990 1353.14,988.14 688.98,988.14
  pour cut-out: -2204.72,1496.06 -2204.72,866.14 -2165.35,826.77 649.61,826.77 688.98,866.14 688.98,1496.06 669.29,1496.06 669.29,866.14 629.92,826.77 -2145.67,826.77 -2185.04,866.14 -2185.04,1496.06
  pour cut-out: -984.25,-2165.35 -984.25,-1496.06 -2204.72,-1496.06 -2204.72,-2165.35
  pour cut-out: -2204.72,1496.06 -2204.72,866.14 -2165.35,826.77 649.61,826.77 688.98,866.14 688.98,1496.06 669.29,1496.06 669.29,866.14 641.97,838.82 -2146,839 -2185.04,866.14 -2185.04,1496.06

## Silkscreen, mask and mechanical layers (free items; w line width, h text height)
TopOverlay:
  drawing of 3984 lines, arcs and shapes, not listed
  text "I2C" at -2462,1592 h80 r180
  text "AC230V" at 3147,1265 h80 r180
  text "DC 12V" at 2566,1257 h80 r180
  text "SENS" at -2335,1177 h80 r180
  text "-" at 2408,1163 h80 r180
  text "+" at 2251,1158 h80 r180
  text "TEMP" at -2334,1063 h80 r180
  text "SENS2" at -1043,767 h80 r180
  text "SENS1" at -1722,758 h80 r180
  text "SENS3" at -328,747 h80 r180
  text "SENS4" at 389,747 h80 r180
  text "RS485" at 1143,726 h80 r180
  text "ETH" at 2124,721 h70 r180
  text "120R" at 1358,719 h40 r270
  text "wireless" at -2345,674 h40 r180
  text "3V" at -3028,663 h80 r180
  text "5V" at 729,659 h40 r180
  text "5V" at -9,654 h40 r180
  text "5V" at -1445,651 h40 r180
  text "5V" at -729,649 h40 r180
  text "3.3V" at -647,552 h40 r180
  text "3.3V" at 807,551 h40 r180
  text "3.3V" at 76,550 h40 r180
  text "3.3V" at -1369,545 h40 r180
  text "J5" at 1217,533 h50 r180
  text "TERM" at 1397,523 h40 r180
  text "12V" at 972,441 h40 r180
  text "LAN1" at 1274,441 h40 r180
  text "J3" at -16,396 h50 r180
  text "v2.0" at -388,393 h80 r180
  text "J2" at -846,388 h50 r180
  text "J4" at 605,385 h50 r180
  text "J1" at -1594,379 h50 r180
  text "LAN2" at 1279,372 h40 r180
  text "J6" at 955,368 h50 r180
  text "LPC PGM" at -2793,296 h50 r180
  text "IP/WIRELESS SENSOR STATION" at 571,275 h80 r180
  text "VOLTAGE" at 2415.18,162.86 h80 r180
  text "+  -" at 64,152 h40 r180
  text "HIGH" at 2277.39,44.75 h80 r180
  text "4..20mA" at -131,17 h40 r180
  text "RESET" at 676,-28 h40 r180
  text "SIM CARD" at -1353,-326 h80 r180
  text "POE" at 1457,-388 h80 r180
  text "PIC PGM" at 346,-683 h50 r270
  text "IO Extension" at -1163,-964 h40 r90
  text "LCD" at -369,-1143 h80 r180
  text "ANT" at -2415,-1412 h50 r180
  text "contrast" at 180.36,-1462.96 h40 r180
  text "Stat" at -2564,-1489 h50 r180
  text "Pow" at -2754,-1503 h50 r180
  text "KEYBOARD" at 58,-1525 h60 r180
  text "ACCU" at 1624,-1613 h80 r180
  text "GPRS" at -2519,-1660 h50 r180
  text "7.2V" at 1614,-1732 h80 r180
  text "ntc" at 1817,-1859 h80 r180
  text "WIFI" at 616,-1926 h80 r180
  text "GND" at 1827,-1964 h80 r180
  text "CHRG" at 2390,-1968 h80 r180
  text "GPRS ANTENNA" at -1364,-2073 h50 r180
  text "pos" at 1828,-2084 h80 r180
Mechanical 1:
  lines w7.87: -3188.98,-1338.58 -3188.98,-1377.95 -3188.98,-1417.32 ; -3188.98,1338.58 -3188.98,1377.95 -3188.98,1417.32 ; 3188.98,-1338.58 3188.98,-1377.95 3188.98,-1417.32 ; 3188.98,1338.58 3188.98,1377.95 3188.98,1417.32 ; -3188.98,-1417.32 -3188.98,-157.48 -3149.61,-157.48 -3149.61,157.48 -3188.98,157.48 -3188.98,1417.32 ; -3188.98,-1417.32 -3149.61,-1456.69 -3110.24,-1496.06 -2992.13,-1496.06 -2952.76,-1496.06 -2913.39,-1535.43 -2874.02,-1574.8 -2795.28,-1653.54 -2795.28,-2125.98 -2755.91,-2165.35 ; -3188.98,1417.32 -3149.61,1456.69 -3110.24,1496.06 -2992.13,1496.06 -2952.76,1496.06 -2913.39,1535.43 -2874.02,1574.8 -2795.28,1653.54 -2795.28,2125.98 -2755.91,2165.35 ; -2755.91,-2165.35 0,-2165.35 2755.91,-2165.35 ; -2755.91,-2165.35 -2755.91,-2165.35 ; -2755.91,2165.35 -2362.2,2165.35 -2362.2,1574.8 -2283.46,1496.06 2283.46,1496.06 2362.2,1574.8 2362.2,2165.35 2755.91,2165.35 ; -2755.91,2165.35 -2755.91,2165.35 ; 2755.91,-2165.35 2795.28,-2125.98 2795.28,-1653.54 2874.02,-1574.8 2913.39,-1535.43 2952.76,-1496.06 2992.13,-1496.06 3110.24,-1496.06 3149.61,-1456.69 3188.98,-1417.32 ; 2755.91,-2165.35 2755.91,-2165.35 ; 2755.91,2165.35 2795.28,2125.98 2795.28,1653.54 2874.02,1574.8 2913.39,1535.43 2952.76,1496.06 2992.13,1496.06 3110.24,1496.06 3149.61,1456.69 3188.98,1417.32 ; 2755.91,2165.35 2755.91,2165.35 ; 3188.98,-1417.32 3188.98,-157.48 3149.61,-157.48 3149.61,157.48 3188.98,157.48 3188.98,1417.32 ; -826.77,1771.65 -826.77,2007.87 748.03,2007.87 748.03,1771.65 -826.77,1771.65
Mechanical 2:
  drawing of 286 lines, arcs and shapes, not listed
Mechanical 3:
  lines w10: -5003.01,-3790.52 -4668.36,-3790.52 -4668.36,-3692.1 -4510.88,-3692.1 -4510.88,-3790.52

## Text inside footprints (layer, text, board x,y; h text height)
Jmp1: TopOverlay "1" at -1709.36,444.33 h60 r180
Jmp2: TopOverlay "1" at -989.36,454.33 h60 r180
Jmp3: TopOverlay "1" at -270,460.87 h60 r180
Jmp4: TopOverlay "1" at 465,455 h60 r180